# KiCad board 8-Bit CPU 32k.kicad_pcb
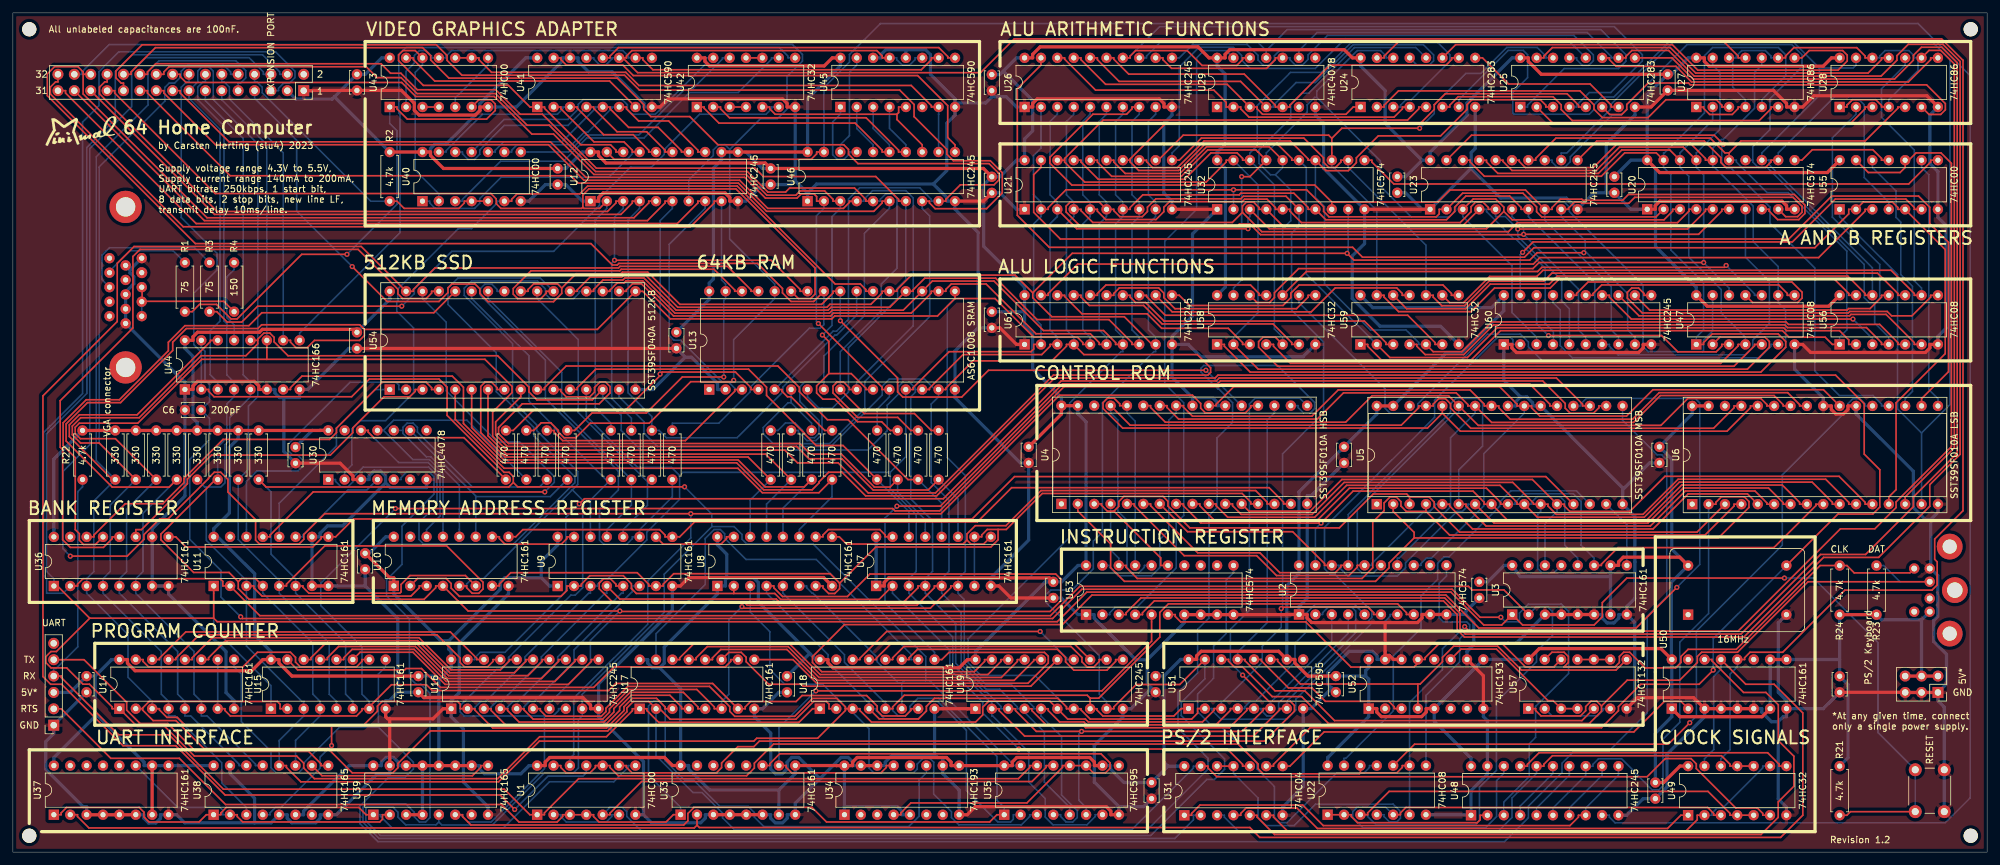
[diagram p0: board, top side]
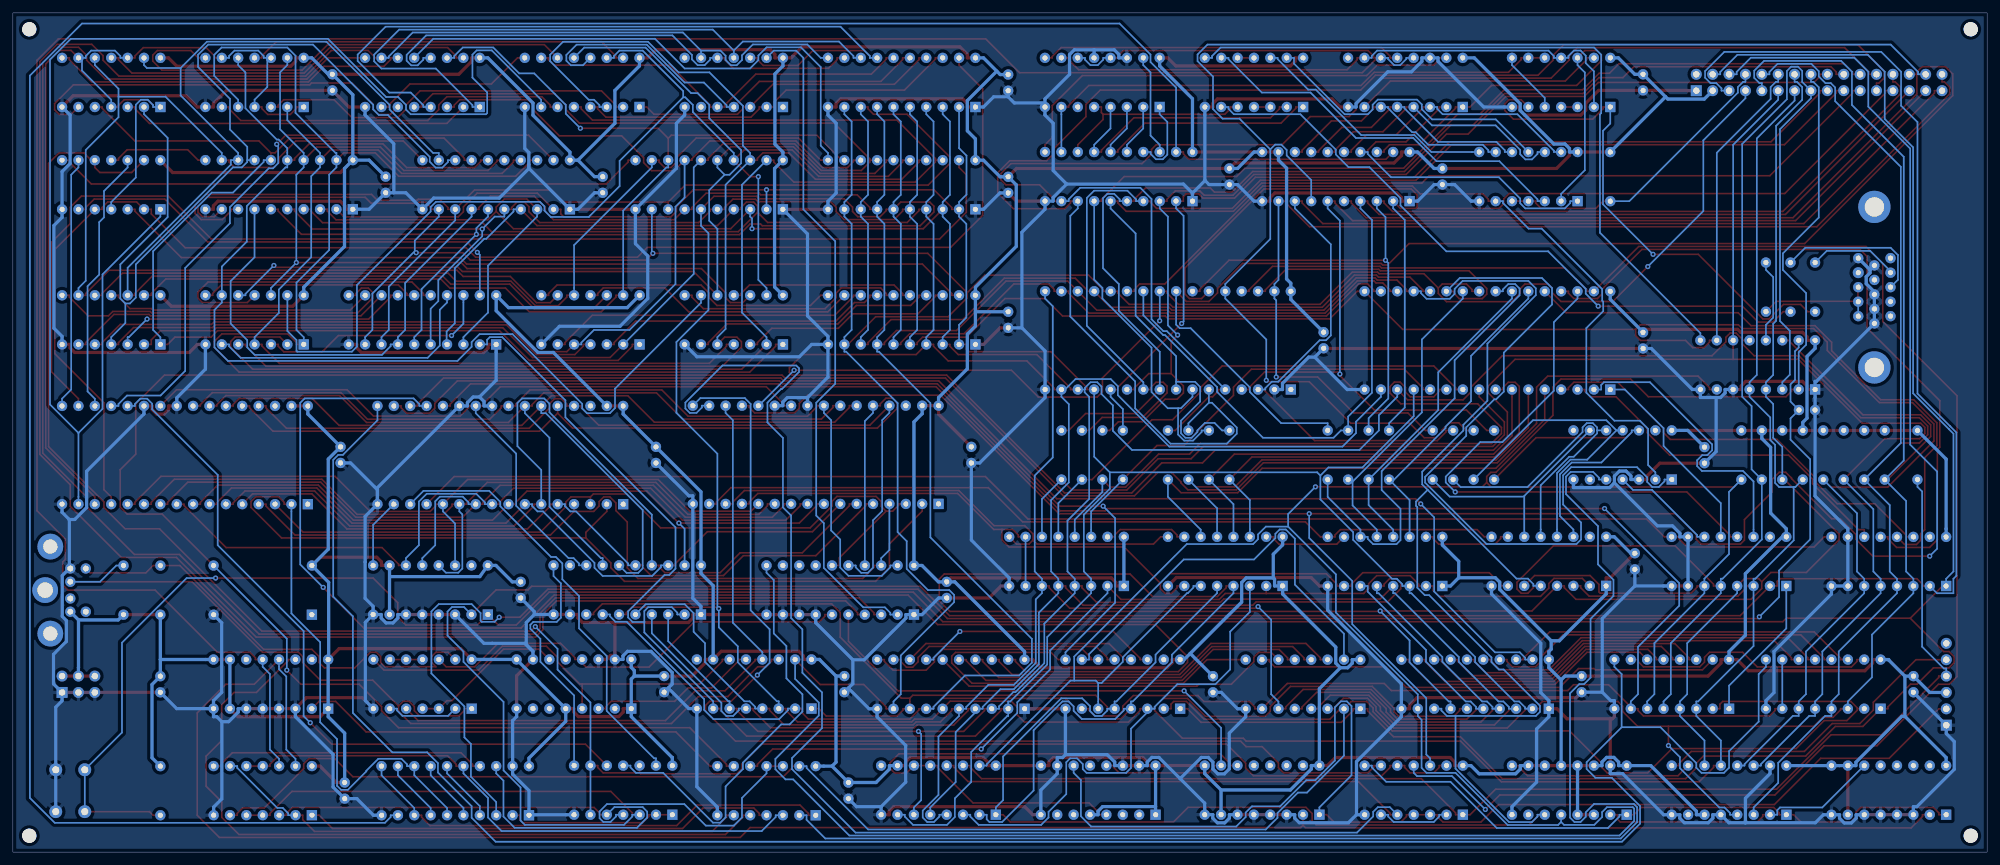
[diagram p1: board, bottom side, seen from below]

Outline 306.07 x 130.18 mm; copper layers: Top, Bottom. Coordinates in mm from the lower left corner of the outline.
Outline path: rectangle 0,130.18 306.07,0

## Placement (name value [footprint] x y rotation side)
C1  100nF  [C_Disc_D3.4mm_W2.1mm_P2.50mm]  53.34 120.65 270 top
C2  100nF  [C_Disc_D3.4mm_W2.1mm_P2.50mm]  117.48 106.04 270 top
C3  100nF  [C_Disc_D3.4mm_W2.1mm_P2.50mm]  151.77 120.61 270 top
C4  100nF  [C_Disc_D3.4mm_W2.1mm_P2.50mm]  177.17 27.31 270 top
C5  100nF  [C_Disc_D3.4mm_W2.1mm_P2.50mm]  227.35 41.92 270 top
C6  200pF  [C_Disc_D3.4mm_W2.1mm_P2.50mm]  26.67 68.58 0 top
C7  100nF  [C_Disc_D3.4mm_W2.1mm_P2.50mm]  157.48 62.86 270 top
C8  100nF  [C_Disc_D3.4mm_W2.1mm_P2.50mm]  151.77 83.82 270 top
C9  100nF  [C_Disc_D3.4mm_W2.1mm_P2.50mm]  206.38 62.86 270 top
C10  100nF  [C_Disc_D3.4mm_W2.1mm_P2.50mm]  53.34 80.62 270 top
C11  100nF  [C_Disc_D3.4mm_W2.1mm_P2.50mm]  214.63 104.77 270 top
C12  100nF  [C_Disc_D3.4mm_W2.1mm_P2.50mm]  161.3 41.92 270 top
C13  100nF  [C_Disc_D3.4mm_W2.1mm_P2.50mm]  54.61 46.35 270 top
C14  100nF  [C_Disc_D3.4mm_W2.1mm_P2.50mm]  283.21 27.28 270 top
C15  100nF  [C_Disc_D3.4mm_W2.1mm_P2.50mm]  151.77 104.75 270 top
C16  100nF  [C_Disc_D3.4mm_W2.1mm_P2.50mm]  254.63 10.79 270 top
C17  100nF  [C_Disc_D3.4mm_W2.1mm_P2.50mm]  248.29 104.77 270 top
C18  100nF  [C_Disc_D3.4mm_W2.1mm_P2.50mm]  255.27 62.86 270 top
C19  100nF  [C_Disc_D3.4mm_W2.1mm_P2.50mm]  256.54 120.65 270 top
C20  100nF  [C_Disc_D3.4mm_W2.1mm_P2.50mm]  176.53 10.79 270 top
C21  100nF  [C_Disc_D3.4mm_W2.1mm_P2.50mm]  43.82 62.82 270 top
C22  100nF  [C_Disc_D3.4mm_W2.1mm_P2.50mm]  205.11 27.31 270 top
C23  100nF  [C_Disc_D3.4mm_W2.1mm_P2.50mm]  120.02 27.28 270 top
C24  100nF  [C_Disc_D3.4mm_W2.1mm_P2.50mm]  102.87 80.64 270 top
C25  100nF  [C_Disc_D3.4mm_W2.1mm_P2.50mm]  11.41 27.29 270 top
C26  100nF  [C_Disc_D3.4mm_W2.1mm_P2.50mm]  84.46 106.04 270 top
C27  100nF  [C_Disc_D3.4mm_W2.1mm_P2.50mm]  62.87 27.31 270 top
G***  LOGO  [logo]  10.54 111.89 0 top
H1  M2  [MountingHole_2.2mm_M2]  2.54 127.63 0 top
H2  M2  [MountingHole_2.2mm_M2]  303.53 127.63 0 top
H3  M2  [MountingHole_2.2mm_M2]  303.53 2.54 0 top
H4  M2  [MountingHole_2.2mm_M2]  2.54 2.54 0 top
J1  UART  [PinSocket_1x06_P2.54mm_Vertical]  6.33 19.69 180 top
J2  VGA connector  [VGA DSUB15HD_female]  22.23 87.63 270 top
J3  EXPANSION PORT  [PinSocket_2x16_P2.54mm_Vertical]  45.09 118.11 270 top
J4  PS/2 Keyboard  [FP_MINI_DIN_6_PS2]  306.07 40.64 270 top
J5  5V*  [PinSocket_2x03_P2.54mm_Vertical]  298.45 24.76 270 top
R1  75  [R_Axial_DIN0207_L6.3mm_D2.5mm_P7.62mm_Horizontal]  26.67 91.45 270 top
R2  4.7k  [R_Axial_DIN0207_L6.3mm_D2.5mm_P7.62mm_Horizontal]  58.42 108.58 270 top
R3  75  [R_Axial_DIN0207_L6.3mm_D2.5mm_P7.62mm_Horizontal]  30.48 91.45 270 top
R4  150  [R_Axial_DIN0207_L6.3mm_D2.5mm_P7.62mm_Horizontal]  34.29 83.83 90 top
R5  470  [R_Axial_DIN0207_L6.3mm_D2.5mm_P7.62mm_Horizontal]  92.71 57.78 90 top
R6  470  [R_Axial_DIN0207_L6.3mm_D2.5mm_P7.62mm_Horizontal]  95.89 57.78 90 top
R7  470  [R_Axial_DIN0207_L6.3mm_D2.5mm_P7.62mm_Horizontal]  99.06 57.78 90 top
R8  470  [R_Axial_DIN0207_L6.3mm_D2.5mm_P7.62mm_Horizontal]  102.24 57.78 90 top
R9  470  [R_Axial_DIN0207_L6.3mm_D2.5mm_P7.62mm_Horizontal]  76.43 57.78 90 top
R10  470  [R_Axial_DIN0207_L6.3mm_D2.5mm_P7.62mm_Horizontal]  79.6 57.78 90 top
R11  470  [R_Axial_DIN0207_L6.3mm_D2.5mm_P7.62mm_Horizontal]  82.78 57.78 90 top
R12  470  [R_Axial_DIN0207_L6.3mm_D2.5mm_P7.62mm_Horizontal]  85.96 57.78 90 top
R13  470  [R_Axial_DIN0207_L6.3mm_D2.5mm_P7.62mm_Horizontal]  117.48 57.78 90 top
R14  470  [R_Axial_DIN0207_L6.3mm_D2.5mm_P7.62mm_Horizontal]  120.65 57.78 90 top
R15  470  [R_Axial_DIN0207_L6.3mm_D2.5mm_P7.62mm_Horizontal]  123.83 57.78 90 top
R16  470  [R_Axial_DIN0207_L6.3mm_D2.5mm_P7.62mm_Horizontal]  127 57.78 90 top
R17  470  [R_Axial_DIN0207_L6.3mm_D2.5mm_P7.62mm_Horizontal]  133.99 57.78 90 top
R18  470  [R_Axial_DIN0207_L6.3mm_D2.5mm_P7.62mm_Horizontal]  137.16 57.78 90 top
R19  470  [R_Axial_DIN0207_L6.3mm_D2.5mm_P7.62mm_Horizontal]  140.34 57.78 90 top
R20  470  [R_Axial_DIN0207_L6.3mm_D2.5mm_P7.62mm_Horizontal]  143.51 57.78 90 top
R21  4.7k  [R_Axial_DIN0207_L6.3mm_D2.5mm_P7.62mm_Horizontal]  283.21 13.33 270 top
R22  4.7k  [R_Axial_DIN0207_L6.3mm_D2.5mm_P7.62mm_Horizontal]  10.8 65.41 270 top
R23  4.7k  [R_Axial_DIN0207_L6.3mm_D2.5mm_P7.62mm_Horizontal]  288.93 36.83 90 top
R24  4.7k  [R_Axial_DIN0207_L6.3mm_D2.5mm_P7.62mm_Horizontal]  283.21 36.83 90 top
R25  330  [R_Axial_DIN0207_L6.3mm_D2.5mm_P7.62mm_Horizontal]  38.1 57.78 90 top
R26  330  [R_Axial_DIN0207_L6.3mm_D2.5mm_P7.62mm_Horizontal]  34.93 57.78 90 top
R27  330  [R_Axial_DIN0207_L6.3mm_D2.5mm_P7.62mm_Horizontal]  31.75 57.78 90 top
R28  330  [R_Axial_DIN0207_L6.3mm_D2.5mm_P7.62mm_Horizontal]  28.57 57.78 90 top
R29  330  [R_Axial_DIN0207_L6.3mm_D2.5mm_P7.62mm_Horizontal]  25.4 57.78 90 top
R30  330  [R_Axial_DIN0207_L6.3mm_D2.5mm_P7.62mm_Horizontal]  22.23 57.78 90 top
R31  330  [R_Axial_DIN0207_L6.3mm_D2.5mm_P7.62mm_Horizontal]  19.05 57.78 90 top
R32  330  [R_Axial_DIN0207_L6.3mm_D2.5mm_P7.62mm_Horizontal]  15.88 57.78 90 top
SW1  RESET  [SW_PUSH_6mm]  294.93 6.28 90 top
U1  74HC00  [DIP-14_W7.62mm]  81.28 5.8 90 top
U2  74HC574  [DIP-20_W7.62mm]  199.4 36.86 90 top
U3  74HC161  [DIP-16_W7.62mm]  232.44 36.85 90 top
U4  SST39SF010A HSB  [DIP-32_W15.24mm_Socket]  162.56 54.01 90 top
U5  SST39SF010A MSB  [DIP-32_W15.24mm_Socket]  211.45 53.97 90 top
U6  SST39SF010A LSB  [DIP-32_W15.24mm_Socket]  260.35 53.97 90 top
U7  74HC161  [DIP-16_W7.62mm]  133.83 41.28 90 top
U8  74HC161  [DIP-16_W7.62mm]  109.22 41.28 90 top
U9  74HC161  [DIP-16_W7.62mm]  84.46 41.28 90 top
U10  74HC161  [DIP-16_W7.62mm]  59.05 41.29 90 top
U11  74HC161  [DIP-16_W7.62mm]  31.13 41.28 90 top
U12  74HC245  [DIP-20_W7.62mm]  89.54 100.97 90 top
U13  AS6C1008 SRAM  [DIP-32_W15.24mm]  107.95 71.75 90 top
U14  74HC161  [DIP-16_W7.62mm]  16.51 22.25 90 top
U15  74HC161  [DIP-16_W7.62mm]  40.01 22.25 90 top
U16  74HC245  [DIP-20_W7.62mm]  67.94 22.25 90 top
U17  74HC161  [DIP-16_W7.62mm]  97.17 22.23 90 top
U18  74HC161  [DIP-16_W7.62mm]  125.11 22.25 90 top
U19  74HC245  [DIP-20_W7.62mm]  149.23 22.23 90 top
U20  74HC574  [DIP-20_W7.62mm]  253.37 99.71 90 top
U21  74HC245  [DIP-20_W7.62mm]  156.84 99.7 90 top
U22  74HC08  [DIP-14_W7.62mm]  203.83 5.8 90 top
U23  74HC245  [DIP-20_W7.62mm]  219.72 99.7 90 top
U24  74HC283  [DIP-16_W7.62mm]  208.93 115.58 90 top
U25  74HC283  [DIP-16_W7.62mm]  233.69 115.58 90 top
U26  74HC245  [DIP-20_W7.62mm]  156.84 115.58 90 top
U27  74HC86  [DIP-14_W7.62mm]  260.99 115.58 90 top
U28  74HC86  [DIP-14_W7.62mm]  283.2 115.58 90 top
U29  74HC4078  [DIP-14_W7.62mm]  186.69 115.58 90 top
U30  74HC4078  [DIP-14_W7.62mm]  48.89 57.79 90 top
U31  74HC04  [DIP-14_W7.62mm]  181.61 5.72 90 top
U32  74HC574  [DIP-20_W7.62mm]  186.7 99.7 90 top
U33  74HC161  [DIP-16_W7.62mm]  103.52 5.81 90 top
U34  74HC193  [DIP-16_W7.62mm]  128.92 5.8 90 top
U35  74HC595  [DIP-16_W7.62mm]  153.69 5.8 90 top
U36  74HC161  [DIP-16_W7.62mm]  6.35 41.28 90 top
U37  74HC161  [DIP-16_W7.62mm]  6.35 5.8 90 top
U38  74HC165  [DIP-16_W7.62mm]  31.12 5.8 90 top
U39  74HC165  [DIP-16_W7.62mm]  55.88 5.8 90 top
U40  74HC00  [DIP-14_W7.62mm]  63.49 100.97 90 top
U41  74HC590  [DIP-16_W7.62mm]  81.3 115.58 90 top
U42  74HC32  [DIP-14_W7.62mm]  106.04 115.58 90 top
U43  74HC00  [DIP-14_W7.62mm]  58.42 115.58 90 top
U44  74HC166  [DIP-16_W7.62mm]  26.67 71.76 90 top
U45  74HC590  [DIP-16_W7.62mm]  128.28 115.58 90 top
U46  74HC245  [DIP-20_W7.62mm]  123.2 100.97 90 top
U47  74HC08  [DIP-14_W7.62mm]  260.98 78.75 90 top
U48  74HC245  [DIP-20_W7.62mm]  226.06 5.72 90 top
U49  74HC32  [DIP-14_W7.62mm]  259.72 5.72 90 top
U50  74HC161  [DIP-16_W7.62mm]  257.19 22.25 90 top
U51  74HC595  [DIP-16_W7.62mm]  182.26 22.26 90 top
U52  74HC193  [DIP-16_W7.62mm]  210.2 22.26 90 top
U53  74HC574  [DIP-20_W7.62mm]  166.38 36.84 90 top
U54  SST39SF040A 512KB  [DIP-32_W15.24mm_Socket]  58.42 71.75 90 top
U55  74HC00  [DIP-14_W7.62mm]  283.2 99.7 90 top
U56  74HC08  [DIP-14_W7.62mm]  283.2 78.75 90 top
U57  74HCT132  [DIP-14_W7.62mm]  234.94 22.25 90 top
U58  74HC32  [DIP-14_W7.62mm]  186.69 78.75 90 top
U59  74HC32  [DIP-14_W7.62mm]  208.91 78.75 90 top
U60  74HC245  [DIP-20_W7.62mm]  231.14 78.75 90 top
U61  74HC245  [DIP-20_W7.62mm]  156.84 78.75 90 top
X1  16MHz  [Oscillator_DIP-14]  259.72 36.83 0 top

## Footprints (pads in the part's own frame, mm; a bottom-side part is the same pattern mirrored in y, then rotated)
C_Disc_D3.4mm_W2.1mm_P2.50mm
  round 1.6 hole 0.8: 1(0,0) 2(2.5,0)
DIP-14_W7.62mm
  rect 1.6x1.6 hole 0.8: 1(0,0)
  oval 1.6x1.6 hole 0.8: 2(0,-2.54) 3(0,-5.08) 4(0,-7.62) 5(0,-10.16) 6(0,-12.7) 7(0,-15.24) 8(7.62,-15.24) 9(7.62,-12.7) 10(7.62,-10.16) 11(7.62,-7.62) 12(7.62,-5.08) 13(7.62,-2.54) 14(7.62,0)
DIP-16_W7.62mm
  rect 1.6x1.6 hole 0.8: 1(0,0)
  oval 1.6x1.6 hole 0.8: 2(0,-2.54) 3(0,-5.08) 4(0,-7.62) 5(0,-10.16) 6(0,-12.7) 7(0,-15.24) 8(0,-17.78) 9(7.62,-17.78) 10(7.62,-15.24) 11(7.62,-12.7) 12(7.62,-10.16) 13(7.62,-7.62) 14(7.62,-5.08) 15(7.62,-2.54) 16(7.62,0)
DIP-20_W7.62mm
  rect 1.6x1.6 hole 0.8: 1(0,0)
  oval 1.6x1.6 hole 0.8: 2(0,-2.54) 3(0,-5.08) 4(0,-7.62) 5(0,-10.16) 6(0,-12.7) 7(0,-15.24) 8(0,-17.78) 9(0,-20.32) 10(0,-22.86) 11(7.62,-22.86) 12(7.62,-20.32) 13(7.62,-17.78) 14(7.62,-15.24) 15(7.62,-12.7) 16(7.62,-10.16) 17(7.62,-7.62) 18(7.62,-5.08) 19(7.62,-2.54) 20(7.62,0)
DIP-32_W15.24mm
  rect 1.6x1.6 hole 0.8: 1(0,0)
  oval 1.6x1.6 hole 0.8: 2(0,-2.54) 3(0,-5.08) 4(0,-7.62) 5(0,-10.16) 6(0,-12.7) 7(0,-15.24) 8(0,-17.78) 9(0,-20.32) 10(0,-22.86) 11(0,-25.4) 12(0,-27.94) 13(0,-30.48) 14(0,-33.02) 15(0,-35.56) 16(0,-38.1) 17(15.24,-38.1) 18(15.24,-35.56) 19(15.24,-33.02) 20(15.24,-30.48) 21(15.24,-27.94) 22(15.24,-25.4) 23(15.24,-22.86) 24(15.24,-20.32) 25(15.24,-17.78) 26(15.24,-15.24) 27(15.24,-12.7) 28(15.24,-10.16) 29(15.24,-7.62) 30(15.24,-5.08) 31(15.24,-2.54) 32(15.24,0)
DIP-32_W15.24mm_Socket
  rect 1.6x1.6 hole 0.8: 1(0,0)
  oval 1.6x1.6 hole 0.8: 2(0,-2.54) 3(0,-5.08) 4(0,-7.62) 5(0,-10.16) 6(0,-12.7) 7(0,-15.24) 8(0,-17.78) 9(0,-20.32) 10(0,-22.86) 11(0,-25.4) 12(0,-27.94) 13(0,-30.48) 14(0,-33.02) 15(0,-35.56) 16(0,-38.1) 17(15.24,-38.1) 18(15.24,-35.56) 19(15.24,-33.02) 20(15.24,-30.48) 21(15.24,-27.94) 22(15.24,-25.4) 23(15.24,-22.86) 24(15.24,-20.32) 25(15.24,-17.78) 26(15.24,-15.24) 27(15.24,-12.7) 28(15.24,-10.16) 29(15.24,-7.62) 30(15.24,-5.08) 31(15.24,-2.54) 32(15.24,0)
FP_MINI_DIN_6_PS2
  round 4 hole 2.2: (-6.75,-5.8) (6.75,-5.8)
  round 4 hole 2.4: (0,-5)
  round 1.6 hole 0.9: 1(-1.3,-8.9) 2(1.3,-8.9) 3(-3.35,-8.9) 4(3.35,-8.9) 5(-3.35,-11.3) 6(3.35,-11.3)
MountingHole_2.2mm_M2
  round 2.2 hole 2.2 unplated: (0,0)
Oscillator_DIP-14
  rect 1.6x1.6 hole 0.8: 1(0,0)
  round 1.6 hole 0.8: 7(15.24,0) 8(15.24,7.62) 14(0,7.62)
PinSocket_1x06_P2.54mm_Vertical
  rect 1.7x1.7 hole 1: 1(0,0)
  oval 1.7x1.7 hole 1: 2(0,-2.54) 3(0,-5.08) 4(0,-7.62) 5(0,-10.16) 6(0,-12.7)
PinSocket_2x03_P2.54mm_Vertical
  rect 1.7x1.7 hole 1: 1(0,0)
  oval 1.7x1.7 hole 1: 2(-2.54,0) 3(0,-2.54) 4(-2.54,-2.54) 5(0,-5.08) 6(-2.54,-5.08)
PinSocket_2x16_P2.54mm_Vertical
  rect 1.7x1.7 hole 1: 1(0,0)
  oval 1.7x1.7 hole 1: 2(-2.54,0) 3(0,-2.54) 4(-2.54,-2.54) 5(0,-5.08) 6(-2.54,-5.08) 7(0,-7.62) 8(-2.54,-7.62) 9(0,-10.16) 10(-2.54,-10.16) 11(0,-12.7) 12(-2.54,-12.7) 13(0,-15.24) 14(-2.54,-15.24) 15(0,-17.78) 16(-2.54,-17.78) 17(0,-20.32) 18(-2.54,-20.32) 19(0,-22.86) 20(-2.54,-22.86) 21(0,-25.4) 22(-2.54,-25.4) 23(0,-27.94) 24(-2.54,-27.94) 25(0,-30.48) 26(-2.54,-30.48) 27(0,-33.02) 28(-2.54,-33.02) 29(0,-35.56) 30(-2.54,-35.56) 31(0,-38.1) 32(-2.54,-38.1)
R_Axial_DIN0207_L6.3mm_D2.5mm_P7.62mm_Horizontal
  round 1.6 hole 0.8: 1(0,0)
  oval 1.6x1.6 hole 0.8: 2(7.62,0)
SW_PUSH_6mm
  round 2 hole 1.1: 1(0,0) 1(6.5,0) 2(0,-4.5) 2(6.5,-4.5)
VGA DSUB15HD_female
  round 5 hole 3: (-12.45,-4.75) (12.45,-4.75)
  round 1.6 hole 0.8: 1(4.5,-2.25) 2(2.25,-2.25) 3(0,-2.25) 5(-4.5,-2.25) 6(5.625,-4.75) 7(3.375,-4.75) 8(1.125,-4.75) 9(-1.125,-4.75) 10(-3.375,-4.75) 11(4.5,-7.25) 12(2.25,-7.25) 13(0,-7.25) 14(-2.25,-7.25) 15(-4.5,-7.25)
  round 1.7 hole 0.8: 4(-2.25,-2.25)

## Nets
+5V: C1.1 C2.1 C3.1 C4.1 C5.1 C7.1 C8.1 C9.1 C10.1 C11.1 C12.1 C13.1 C14.1 C15.1 C16.1 C17.1 C18.1 C19.1 C20.1 C21.1 C22.1 C23.1 C24.1 C25.1 C26.1 C27.1 J1.3 J3.3 J4.4 J5.2 J5.4 J5.6 R2.1 R21.1 R22.1 R23.1 R24.1 R25.2 R26.2 R27.2 R28.2 R29.2 R30.2 R31.2 R32.2 U1.14 U2.20 U3.7 U3.10 U3.16 U4.31 U4.32 U5.31 U5.32 U6.31 U6.32 U7.1 U7.16 U8.1 U8.16 U9.1 U9.16 U10.1 U10.16 U11.16 U12.11 U12.12 U12.20 U13.32 U14.16 U15.16 U16.20 U17.16 U18.16 U19.20 U20.20 U21.20 U22.14 U23.20 U24.16 U25.16 U26.20 U27.14 U28.14 U29.14 U30.14 U31.14 U32.20 U33.7 U33.9 U33.16 U34.1 U34.5 U34.9 U34.16 U35.10 U35.16 U36.16 U37.7 U37.9 U37.10 U37.16 U38.6 U38.16 U39.3 U39.4 U39.10 U39.11 U39.12 U39.13 U39.14 U39.16 U40.14 U41.16 U42.14 U43.14 U44.16 U45.16 U46.20 U47.14 U48.20 U49.14 U50.1 U50.7 U50.9 U50.10 U50.16 U51.10 U51.16 U52.1 U52.5 U52.9 U52.16 U53.20 U54.32 U55.14 U56.14 U57.14 U58.14 U59.14 U60.20 U61.20 X1.14
/VGA/V1: U43.9 U43.10 U45.7 U46.12
/VGA/V2: U41.15 U46.11
/VGA/V4: U12.18 U40.2 U41.1 U43.12
/VGA/V8: U12.17 U40.1 U41.2
/VGA/V16: U12.16 U40.13 U41.3
/VGA/V32: U12.15 U40.12 U41.4
/VGA/V64: U12.14 U40.10 U41.5
/VGA/V128: U12.13 U40.9 U41.6
/VGA/V256: U41.7 U43.13
GND: C1.2 C2.2 C3.2 C4.2 C5.2 C6.1 C7.2 C8.2 C9.2 C10.2 C11.2 C12.2 C13.2 C14.2 C15.2 C16.2 C17.2 C18.2 C19.2 C20.2 C21.2 C22.2 C23.2 C24.2 C25.2 C26.2 C27.2 J1.1 J2.5 J2.6 J2.7 J2.8 J2.10 J3.1 J4.3 J5.1 J5.3 J5.5 SW1.2 U1.7 U2.1 U2.9 U2.10 U3.3 U3.4 U3.5 U3.6 U3.8 U4.16 U4.22 U4.24 U5.16 U5.22 U5.24 U6.16 U6.22 U6.24 U7.8 U8.8 U9.8 U10.8 U11.7 U11.8 U11.10 U12.1 U12.10 U13.2 U13.16 U14.8 U15.8 U16.1 U16.10 U17.8 U18.8 U19.1 U19.10 U20.1 U20.10 U21.1 U21.10 U22.7 U23.1 U23.10 U24.8 U25.8 U26.1 U26.10 U27.7 U28.7 U29.7 U30.3 U30.7 U31.7 U32.1 U32.10 U33.3 U33.4 U33.5 U33.6 U33.8 U34.8 U34.10 U34.14 U34.15 U35.8 U36.7 U36.8 U36.10 U37.3 U37.4 U37.5 U37.6 U37.8 U38.5 U38.8 U38.15 U39.8 U39.15 U40.7 U41.8 U41.14 U42.7 U43.7 U44.1 U44.6 U44.8 U45.8 U45.12 U45.14 U46.1 U46.10 U47.7 U48.1 U48.10 U48.19 U49.7 U50.3 U50.4 U50.5 U50.6 U50.8 U51.8 U52.8 U52.10 U52.14 U52.15 U53.1 U53.7 U53.8 U53.9 U53.10 U54.16 U55.7 U56.7 U57.7 U58.7 U59.7 U60.1 U60.10 U61.1 U61.10 X1.7
2MHz: U41.11 U41.13 U45.11 U45.13 U49.12 U50.12
/ALU/A0: U21.18 U24.5 U32.19 U47.2 U58.2
/ALU/A1: U21.17 U24.3 U32.18 U47.5 U58.5
/ALU/A2: U21.16 U24.14 U32.17 U47.13 U58.13
/ALU/A3: U21.15 U24.12 U32.16 U47.10 U58.10
/ALU/A4: U21.14 U25.5 U32.15 U56.2 U59.2
/ALU/A5: U21.13 U25.3 U32.14 U56.5 U59.5
/ALU/A6: U21.12 U25.14 U32.13 U56.13 U59.13
/ALU/A7: U21.11 U25.12 U32.12 U56.10 U59.10
/ALU/B0: U20.19 U23.18 U27.5 U47.1 U58.1
/ALU/B1: U20.18 U23.17 U27.2 U47.4 U58.4
/ALU/B2: U20.17 U23.16 U27.13 U47.12 U58.12
/ALU/B3: U20.16 U23.15 U27.10 U47.9 U58.9
/ALU/B4: U20.15 U23.14 U28.5 U56.1 U59.1
/ALU/B5: U20.14 U23.13 U28.2 U56.4 U59.4
/ALU/B6: U20.13 U23.12 U28.13 U56.12 U59.12
/ALU/B7: U20.12 U23.11 U28.10 U56.9 U59.9
/ALU/BUS0: J3.9 R32.1 U2.2 U7.3 U9.3 U13.13 U14.3 U16.2 U17.3 U19.2 U20.2 U21.2 U23.2 U26.2 U32.2 U35.7 U36.3 U38.4 U44.14 U51.7 U54.13 U60.2 U61.2
/ALU/BUS1: J3.10 R31.1 U2.3 U7.4 U9.4 U13.14 U14.4 U16.3 U17.4 U19.3 U20.3 U21.3 U23.3 U26.3 U32.3 U35.6 U36.4 U38.3 U44.12 U51.6 U54.14 U60.3 U61.3
/ALU/BUS2: J3.11 R30.1 U2.4 U7.5 U9.5 U13.15 U14.5 U16.4 U17.5 U19.4 U20.4 U21.4 U23.4 U26.4 U32.4 U35.5 U36.5 U38.14 U44.11 U51.5 U54.15 U60.4 U61.4
/ALU/BUS3: J3.12 R29.1 U2.5 U7.6 U9.6 U13.17 U14.6 U16.5 U17.6 U19.5 U20.5 U21.5 U23.5 U26.5 U32.5 U35.4 U36.6 U38.13 U44.10 U51.4 U54.17 U60.5 U61.5
/ALU/BUS4: J3.13 R28.1 U2.6 U8.3 U10.3 U11.3 U13.18 U15.3 U16.6 U18.3 U19.6 U20.6 U21.6 U23.6 U26.6 U32.6 U35.3 U38.12 U44.5 U51.3 U54.18 U60.6 U61.6
/ALU/BUS5: J3.14 R27.1 U2.7 U8.4 U10.4 U11.4 U13.19 U15.4 U16.7 U18.4 U19.7 U20.7 U21.7 U23.7 U26.7 U32.7 U35.2 U38.11 U44.4 U51.2 U54.19 U60.7 U61.7
/ALU/BUS6: J3.15 R26.1 U2.8 U8.5 U10.5 U11.5 U13.20 U15.5 U16.8 U18.5 U19.8 U20.8 U21.8 U23.8 U26.8 U32.8 U35.1 U39.6 U44.3 U51.1 U54.20 U60.8 U61.8
/ALU/BUS7: J3.16 R25.1 U8.6 U10.6 U11.6 U13.21 U15.6 U16.9 U18.6 U19.9 U20.9 U21.9 U23.9 U26.9 U32.9 U35.15 U39.5 U44.2 U51.15 U54.21 U60.9 U61.9
/ALU/EC: U6.15 U24.7 U55.1
/ALU/ES: U6.14 U27.1 U27.4 U27.9 U27.12 U28.1 U28.4 U28.9 U28.12 U55.4
/ALU/FLAG_C: U25.9 U53.3
/ALU/FLAG_N: U25.10 U26.11 U29.9 U53.4
/ALU/FLAG_Z: U29.13 U53.2
/ALU/~{EO}: U6.13 U26.19 U55.2 U55.5
/Control Logic/AI: U6.17 U55.9
/Control Logic/BI: U6.19 U55.12
/Control Logic/CE: U5.21 U14.7 U14.10 U15.7 U17.7 U18.7
/Control Logic/FI: U5.14 U22.13
/Control Logic/Flag0: U4.25 U5.25 U6.25 U53.19
/Control Logic/Flag1: U4.4 U5.4 U6.4 U53.18
/Control Logic/Flag2: U4.28 U5.28 U6.28 U53.17
/Control Logic/Flag3: U4.29 U5.29 U6.29 U53.16
/Control Logic/Flag4: U4.3 U5.3 U6.3 U53.15
/Control Logic/II: U6.21 U22.10
/Control Logic/Inst0: U2.19 U4.8 U5.8 U6.8
/Control Logic/Inst1: U2.18 U4.7 U5.7 U6.7
/Control Logic/Inst2: U2.17 U4.6 U5.6 U6.6
/Control Logic/Inst3: U2.16 U4.5 U5.5 U6.5
/Control Logic/Inst4: U2.15 U4.27 U5.27 U6.27
/Control Logic/Inst5: U2.14 U4.26 U5.26 U6.26
/Control Logic/Inst6: U2.13 U4.23 U5.23 U6.23
/Control Logic/ME: U4.13 U7.7 U7.10 U8.7 U9.7 U10.7
/Control Logic/RI: J3.6 U1.12 U4.20
/Control Logic/Step0: U3.14 U4.12 U5.12 U6.12
/Control Logic/Step1: U3.13 U4.11 U5.11 U6.11
/Control Logic/Step2: U3.12 U4.10 U5.10 U6.10
/Control Logic/Step3: U3.11 U4.9 U5.9 U6.9
/Control Logic/TI: U1.9 U4.17
/Control Logic/~{AO}: U6.18 U21.19
/Control Logic/~{BO}: U6.20 U23.19
/Control Logic/~{CIH}: U5.18 U17.9 U18.9
/Control Logic/~{CIL}: U5.17 U14.9 U15.9
/Control Logic/~{COH}: U5.20 U19.19
/Control Logic/~{COL}: U5.19 U16.19
/Control Logic/~{IC}: U3.9 U5.15
/Control Logic/~{KO}: U4.19 U51.13 U57.5
/Control Logic/~{MIH}: U4.15 U9.9 U10.9
/Control Logic/~{MIL}: U4.14 U7.9 U8.9
/Control Logic/~{NI}: U5.13 U11.9 U36.9
/Control Logic/~{PS2_DR}: U52.13 U53.6 U57.12
/Control Logic/~{RO}: J3.7 U4.21 U13.24 U54.24
/Control Logic/~{TO}: U1.5 U4.18 U35.13
/Control Logic/~{UART_DR}: U33.10 U34.13 U53.5
/Global Signals/Y2: U48.4 U48.15
/Global Signals/Y3: U48.5 U48.14
/Global Signals/Y5: U48.7 U48.12
/Global Signals/Y6: U31.1 U48.8 U48.11
/Memory/BANK0: U36.14 U54.4
/Memory/BANK1: U36.13 U54.28
/Memory/BANK2: U36.12 U54.29
/Memory/BANK3: U36.11 U54.3
/Memory/BANK4: U11.14 U54.2
/Memory/BANK5: U11.13 U54.30
/Memory/BANK6: U11.12 U54.1
/Memory/BANK7: U11.11 U30.4
/Memory/MAR0: R17.1 U7.14 U54.12
/Memory/MAR1: R18.1 U7.13 U54.11
/Memory/MAR2: R19.1 U7.12 U54.10
/Memory/MAR3: R20.1 U7.11 U54.9
/Memory/MAR4: R13.1 U8.14 U54.8
/Memory/MAR5: R14.1 U8.13 U54.7
/Memory/MAR6: R15.1 U8.12 U54.6
/Memory/MAR7: R16.1 U8.11 U54.5
/Memory/MAR8: R5.1 U9.14 U54.27
/Memory/MAR9: R6.1 U9.13 U54.26
/Memory/MAR10: R7.1 U9.12 U54.23
/Memory/MAR11: R8.1 U9.11 U54.25
/Memory/MAR12: R9.1 U10.14 U30.12
/Memory/MAR13: R10.1 U10.13 U30.11
/Memory/MAR14: R11.1 U10.12 U30.10
/Memory/MAR15: R12.1 U10.11 U30.9
/Memory/~{INH}: J3.8 R2.2 U40.4 U40.5
/PS2 Receiver/PS2_CLK: J4.5 R24.2 U57.13
/PS2 Receiver/PS2_DAT: J4.1 R23.2 U51.14 U57.1
/UART/UART_RTS: J1.2 U1.3 U1.4 U33.1 U34.11
/UART/UART_RX: J1.4 R22.2 U1.1 U35.14
/UART/UART_TX: J1.5 U38.9
/VGA/H1: U45.15 U46.18
/VGA/H2: U45.1 U46.17
/VGA/H4: U45.2 U46.16
/VGA/H8: U42.1 U45.3 U46.15
/VGA/H16: U42.2 U45.4 U46.14
/VGA/H32: U42.5 U45.5 U46.13
/VGA/PIXEL_DATA: R4.2 U44.13
/VGA/~{HSYNC}: R3.2 U42.6
/VGA/~{RESTART}: U41.10 U43.2 U43.11 U45.10
/VGA/~{VSYNC}: R1.2 U43.1 U43.6
CPU_CLOCK0: J3.5 U3.2 U11.2 U22.3 U36.2 U49.4 U49.5
CPU_CLOCK1: U14.2 U15.2 U17.2 U18.2 U31.13 U49.6
CPU_CLOCK2: U7.2 U8.2 U9.2 U10.2 U31.10
CPU_PULSE: U1.10 U1.13 U22.6 U22.9 U22.12 U55.10 U55.13
PIXEL_CLOCK: U31.9 U44.7 X1.8
RAM_A0: J3.17 R17.2 U13.12 U46.2
RAM_A1: J3.18 R18.2 U13.11 U46.3
RAM_A2: J3.19 R19.2 U13.10 U46.4
RAM_A3: J3.20 R20.2 U13.9 U46.5
RAM_A4: J3.21 R13.2 U13.8 U46.6
RAM_A5: J3.22 R14.2 U13.7 U46.7
RAM_A6: J3.23 R15.2 U13.6 U46.8
RAM_A7: J3.24 R16.2 U13.5 U46.9
RAM_A8: J3.25 R5.2 U12.2 U13.27
RAM_A9: J3.26 R6.2 U12.3 U13.26
RAM_A10: J3.27 R7.2 U12.4 U13.23
RAM_A11: J3.28 R8.2 U12.5 U13.25
RAM_A12: J3.29 R9.2 U12.6 U13.4
RAM_A13: J3.30 R10.2 U12.7 U13.28
RAM_A14: J3.31 R11.2 U12.8 U13.3
RAM_A15: J3.32 R12.2 U12.9 U13.31
UART_CLOCK: U33.2 U37.2 U49.13 U50.13
VGA_RAM_ON: U30.5 U31.2
~{PIXEL_LOAD}: C6.2 U44.15 U48.3
~{RESET}: J3.4 R21.2 SW1.1 U3.1 U11.1 U14.1 U15.1 U17.1 U18.1 U36.1
~{VGA_ADDR_ON}: U12.19 U46.19 U48.9
~{VGA_CTRL_ON}: U4.2 U5.2 U6.2 U48.6 U48.13
Net-(J2-Pad1): J2.1 J2.2 J2.3 R4.1
Net-(J2-Pad13): J2.13 R3.1
Net-(J2-Pad14): J2.14 R1.1
Net-(U1-Pad2): U1.2 U1.6
Net-(U1-Pad8): U1.8 U37.1 U38.1 U39.1
Net-(U1-Pad11): U1.11 U13.29 U54.31
Net-(U2-Pad11): U2.11 U22.8
Net-(U7-Pad15): U7.15 U8.10
Net-(U8-Pad15): U8.15 U9.10
Net-(U10-Pad10): U9.15 U10.10
Net-(U13-Pad22): U13.22 U30.2 U40.6
Net-(U13-Pad30): U13.30 U30.1 U54.22
Net-(U14-Pad11): U14.11 U16.15
Net-(U14-Pad12): U14.12 U16.16
Net-(U14-Pad13): U14.13 U16.17
Net-(U14-Pad14): U14.14 U16.18
Net-(U14-Pad15): U14.15 U15.10
Net-(U15-Pad11): U15.11 U16.11
Net-(U15-Pad12): U15.12 U16.12
Net-(U15-Pad13): U15.13 U16.13
Net-(U15-Pad14): U15.14 U16.14
Net-(U15-Pad15): U15.15 U17.10
Net-(U17-Pad11): U17.11 U19.15
Net-(U17-Pad12): U17.12 U19.16
Net-(U17-Pad13): U17.13 U19.17
Net-(U17-Pad14): U17.14 U19.18
Net-(U17-Pad15): U17.15 U18.10
Net-(U18-Pad11): U18.11 U19.11
Net-(U18-Pad12): U18.12 U19.12
Net-(U18-Pad13): U18.13 U19.13
Net-(U18-Pad14): U18.14 U19.14
Net-(U20-Pad11): U20.11 U55.11
Net-(U22-Pad1): U22.1 U22.2 U48.2
Net-(U22-Pad4): U22.4 U31.11 U31.12
Net-(U22-Pad5): U22.5 U48.18 U49.3
Net-(U22-Pad11): U22.11 U53.11
Net-(U24-Pad1): U24.1 U26.17 U29.3
Net-(U24-Pad2): U24.2 U27.3
Net-(U24-Pad4): U24.4 U26.18 U29.2
Net-(U24-Pad6): U24.6 U27.6
Net-(U24-Pad9): U24.9 U25.7
Net-(U24-Pad10): U24.10 U26.15 U29.5
Net-(U24-Pad11): U24.11 U27.8
Net-(U24-Pad13): U24.13 U26.16 U29.4
Net-(U24-Pad15): U24.15 U27.11
Net-(U25-Pad1): U25.1 U26.13 U29.11
Net-(U25-Pad2): U25.2 U28.3
Net-(U25-Pad4): U25.4 U26.14 U29.12
Net-(U25-Pad6): U25.6 U28.6
Net-(U25-Pad11): U25.11 U28.8
Net-(U25-Pad13): U25.13 U26.12 U29.10
Net-(U25-Pad15): U25.15 U28.11
Net-(U31-Pad3): U31.3 U48.16 U49.10 U49.11
Net-(U31-Pad4): U31.4 U49.1
Net-(U31-Pad5): U31.5 U50.14
Net-(U31-Pad6): U31.6 U49.2 U49.9
Net-(U31-Pad8): U31.8 U50.2
Net-(U32-Pad11): U32.11 U55.8
Net-(U33-Pad11): U33.11 U34.4 U35.11 U35.12
Net-(U37-Pad11): U37.11 U38.2 U39.2